# Altium PCB 3-as-manufactured.pcbdoc (part 8 of 12)
Units mil, origin at the board's own origin, x right, y up, seen from the top; angles counter-clockwise.
Board outline 2728 x 2217 mil, 8 copper layers (L1_TOP, L2_GND, L3_INNER1, L4_GND, L5_PWR, L6_INNER2, L7_GND, L8_BOT), stack 48.618 mil thick; 227 components, 321 nets, 1592 pads, 1187 vias.
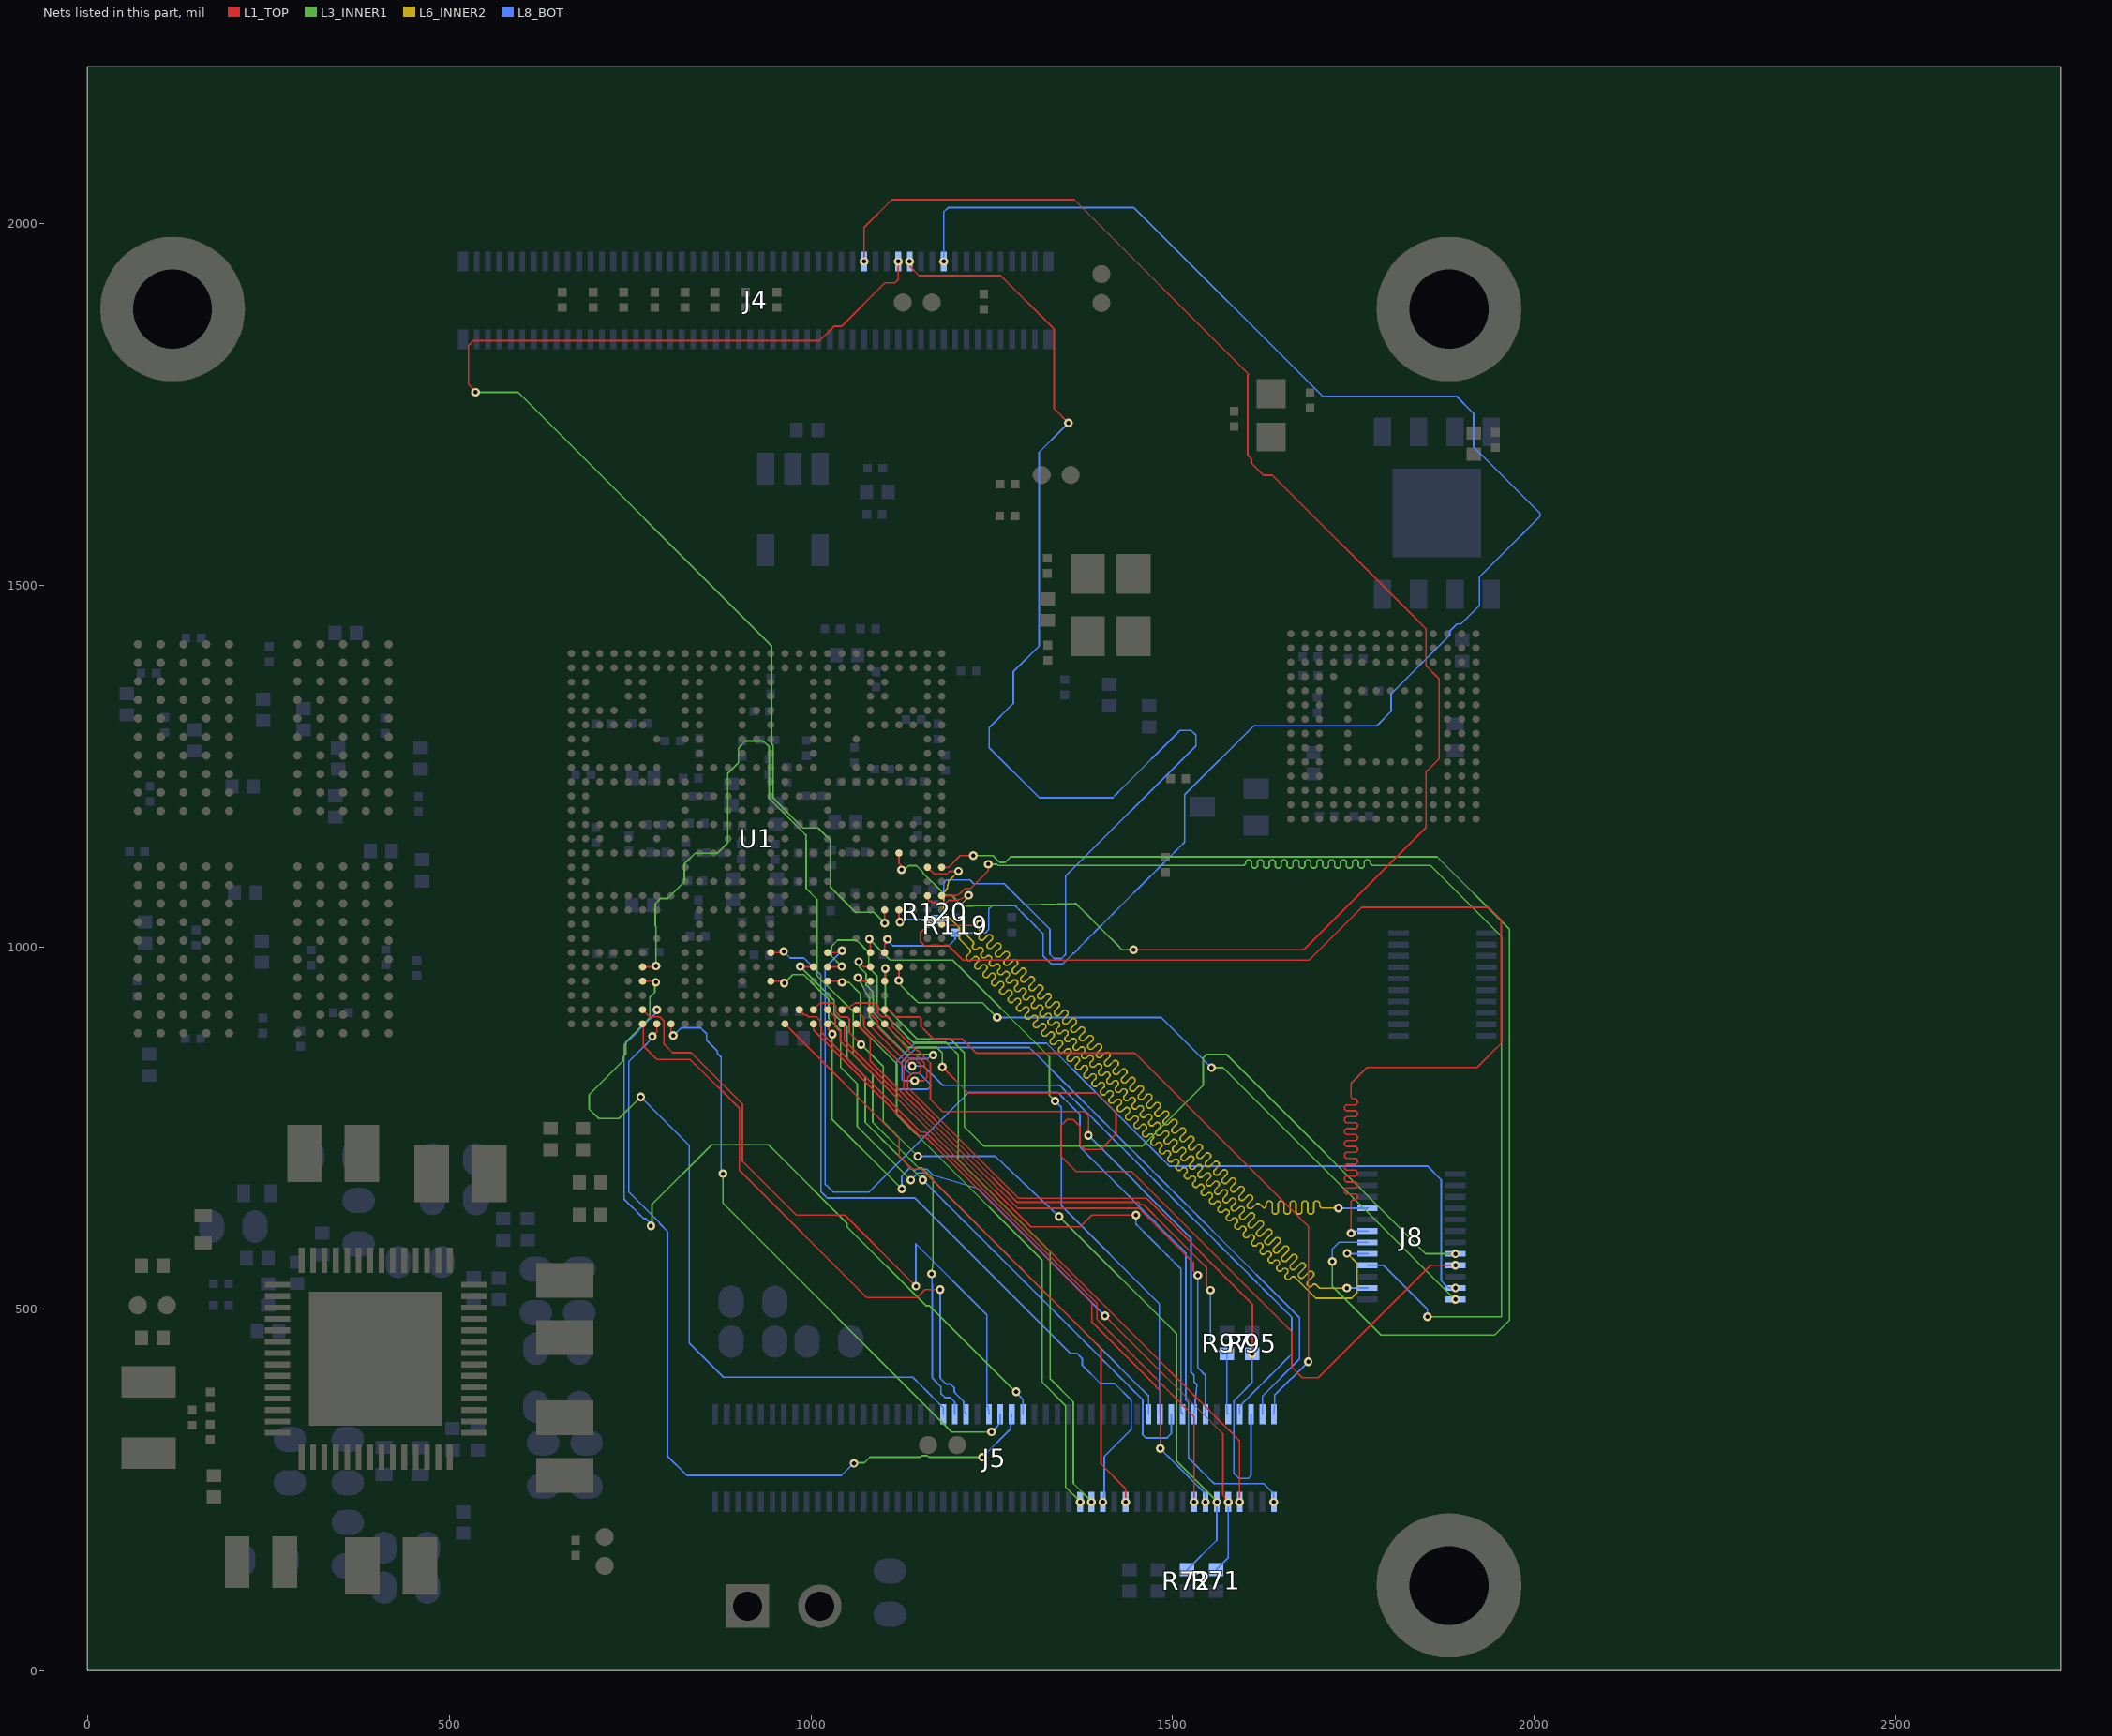
[diagram p14: the nets of this part, all layers, seen from the top]

## Via types
v1: diameter 12, hole 5.9, L1_TOP to L8_BOT, tented both sides, 1041 vias
v2: diameter 18, hole 8, L1_TOP to L8_BOT, tented both sides, 146 vias

## Nets (pads, with @x,y where several pads share a name; then routed paths per layer and width w, separated by ;. In a path a pad name is that pad's centre, name@x,y a point inside that pad or via, vN(x,y) a via of type N, cw(c..) or ccw(c..) an arc to the next point about the centre after c; other vN are vias at no path point) (continued)
SAI1_RXD3: J5.86 U1.AF17 | length 918.3
  L1_TOP w2.2: U1.AF17@983.95,913.68 987.5,910.14 991.24,906.4 993.8,906.4 996.37,903.83 1007.71,903.83 1013.47,898.07 1013.47,889.91 1014.34,889.05 1014.34,883.23 1014.34,882.32 1022.98,873.4 ccw(c1029.66,879.87) 1023.09,873.29 1152.06,744.6 1152.97,744.6 1158.46,744.6 1188.06,715 1395.23,507.83 1395.23,492.97 1395.23,485.7 1401.33,479.6 1407.43,473.49 1413.54,467.39 1419.64,461.29 1425.74,455.19 1431.84,449.08 1437.95,442.98 1444.05,436.88 1450.15,430.78 1456.26,424.67 1462.36,418.57 1468.46,412.47 1474.56,406.36 1480.67,400.26 1486.77,394.16 1492.87,388.06 1498.97,381.95 1505.08,375.85 1511.18,369.75 1517.28,363.65 1523.39,357.54 1529.49,351.44 1529.49,238.31 v1(1529.48,233.27)
SAI1_RXD4: J5.88 U1.AG18 | length 889.3
  L1_TOP w2.2: U1.AG18@1003.63,893.99 1003.63,885.67 1149.9,739.4 1157.2,739.4 1181.6,715 1388.25,508.35 1388.25,490.08 1388.25,482.34 1476.43,394.15 1476.43,392.97 1482.73,386.67 1482.73,378.07 1482.73,369.48 1482.73,360.88 1482.73,352.28 1482.73,343.68 1482.73,335.08 1482.73,326.49 1482.73,317.89 v1(1482.73,307.25)
  L8_BOT w2.2: v1(1482.73,307.25) 1489.4,300.59 1495.6,294.39 1501.8,288.18 1508,281.98 1514.21,275.78 1520.41,269.58 1526.61,263.38 1532.81,257.17 1539.01,250.97 1545.22,244.77 v1(1545.23,233.27)
SAI1_RXD5: J5.90 R72.1 U1.AF18 | length 1119.7
  L1_TOP w2.2: U1.AF18@1003.63,913.68 1007.18,917.22 1012.88,922.92 1021.45,922.92 1029.67,922.92 1034.46,918.13 1034.46,910.35 1037.94,906.87 1041.28,903.53 1045.87,903.53 1050.46,903.53 1053.16,900.83 1053.16,894.58 1053.16,888.32 1053.16,882.07 1058.59,876.65 1064.01,871.22 v1(1069.44,865.79)
  L3_INNER1 w2.2: v1(1069.44,865.79) 1100.04,835.19 1100.04,758.78 1143.82,715 v1(1147.68,711.14) ; v1(1343.08,628.08) 1350.26,620.89 1505.39,465.77 1505.39,289.84 1544.18,251.05 v1@1557.92,237.31 ; v1@1557.93,237.3 v1(1560.98,233.27)
  L8_BOT w2.2: v1(1147.68,711.14) 1156.62,711.14 1165.55,711.14 1174.49,711.14 1183.43,711.14 1192.36,711.14 1201.3,711.14 1210.23,711.14 1219.17,711.14 1228.1,711.14 1237.04,711.14 1245.97,711.14 1254.91,711.14 v1(1343.08,628.08) ; R72.1@1519.89,139.66 1560.96,180.75 1560.96,219.25 v1(1560.98,233.27)
SAI1_RXD6: J5.92 R71.1 U1.AG19 | length 1079.9
  L1_TOP w2.2: U1.AG19@1023.31,893.99 1025.35,884.19 v1(1029.66,879.87) ; v1(1406.33,490.68) 1413.31,483.71 1569.31,327.7 1569.31,243.12 v1(1576.72,233.27)
  L3_INNER1 w2.2: v1(1029.66,879.87) 1029.66,762.19 1113.68,678.17 ; 1113.68,678.16 v1(1125.68,666.15)
  L8_BOT w2.2: v1(1125.68,666.15) 1125.68,674.93 1125.68,683.71 1136.46,694.49 1143.29,692.47 1144.91,692.48 1145.46,693.03 1145.67,693.24 1160.48,693.24 1168.36,685.36 1168.76,684.96 1169.29,684.8 1230.17,666.84 v1(1406.33,490.68) ; R71.1@1559.89,139.66 1576.71,156.53 1576.71,219.25 v1(1576.72,233.27)
SAI1_RXD7: J5.94 U1.AF19 | length 916.2
  L1_TOP w2.2: U1.AF19@1023.31,913.68 1026.87,910.14 1030.3,906.71 1033.73,903.28 1033.73,896.56 1033.73,889.85 1037.05,886.53 1040.37,883.2 1040.37,876.54 1040.37,870.04 1195.42,715 1490.94,419.47 1490.94,419.31 1497.29,412.96 1503.64,406.61 1509.98,400.27 1516.33,393.92 1522.67,387.58 1529.02,381.23 1535.37,374.88 1541.71,368.54 1548.06,362.19 1554.4,355.84 1560.75,349.5 1567.1,343.15 1573.44,336.81 1579.79,330.46 1586.13,324.11 1592.48,317.77 1592.48,308.94 1592.48,300.11 1592.48,291.28 1592.48,282.45 1592.48,273.62 1592.48,264.79 1592.48,255.97 1592.48,247.14 1592.48,238.31 v1(1592.47,233.27)
SAI1_RXFS: J5.74 U1.AG16 | length 863.5
  L1_TOP w2.2: U1.AG16@964.26,893.99 969.7,888.54 969.7,888.09 1122,735.79 1122,715 1122,711.13 1139.7,693.43 1152.92,693.43 1167.97,678.39 1174.26,672.09 1180.56,665.8 1186.85,659.51 1193.14,653.21 1199.44,646.92 1237.2,609.16 1243.49,602.87 1249.78,596.57 1256.08,590.28 1262.37,583.99 1268.66,577.69 1306.42,539.93 1312.72,533.64 1319.01,527.35 1325.3,521.05 1331.6,514.76 1337.89,508.47 1375.65,470.71 1381.94,464.42 1388.24,458.12 1394.53,451.83 1400.82,445.54 1400.82,285.85 1434.99,251.68 v1(1434.99,233.27)
SAI1_TXC: J5.81 U1.AC18 | length 932.3
  L1_TOP w2.2: v1(985.28,973.38) 985.92,972.74 U1.AC18@1003.63,972.74
  L3_INNER1 w2.2: v1(985.28,973.38) 991.13,967.53 1008.64,950.02 1014.47,944.19 1020.31,938.35 1031.98,926.68 1031.98,907.67 1050.1,889.55 1050.1,845.38 1075.12,820.35 1075.12,758.01 1087.37,745.76 1093.5,739.64 1099.62,733.51 1105.74,727.39 1111.87,721.26 1117.99,715.14 1124.12,709.01 1130.24,702.89 1136.37,696.76 1142.49,690.64 1148.62,684.51 v1(1154.73,678.41)
  L8_BOT w2.2: v1(1154.73,678.41) 1158.92,674.21 1163.12,670.01 1169.41,663.73 1175.69,657.44 1188.26,644.87 1194.55,638.58 1200.84,632.29 1207.12,626.01 1219.7,613.44 1225.98,607.15 1232.27,600.86 1238.56,594.58 1251.13,582 1257.42,575.72 1263.7,569.43 1269.99,563.14 1282.56,550.57 1288.85,544.28 1295.13,538 1301.42,531.71 1320.28,512.85 1326.57,506.57 1332.85,500.28 1339.14,493.99 1351.71,481.42 1358,475.13 1364.29,468.85 1370.57,462.56 1383.15,449.99 1389.43,443.7 1395.72,437.41 1402,431.13 1414.58,418.55 1420.86,412.27 1427.15,405.98 1433.44,399.69 1446.01,387.12 1452.3,380.84 1458.58,374.55 1458.58,327.64 1458.58,326.21 1463.01,321.78 1492.05,321.78 1494.03,323.76 1497.97,327.7 1497.97,328.82 1497.97,337.39 J5.81@1497.98,354.53
SAI1_TXD0: J5.83 U1.AG20 | length 868.2
  L1_TOP w2.2: U1.AG20@1042.99,894 1046.18,890.8 1046.18,877.35 1046.18,871.58 1202.77,715 1304.04,613.73 1371.99,613.73 1388.16,629.9 v1(1449.11,629.9)
  L8_BOT w2.2: v1(1449.11,629.9) 1449.11,617.61 1455.32,611.38 1461.53,605.17 1467.74,598.96 1473.95,592.75 1480.15,586.55 1486.36,580.34 1492.57,574.13 1498.78,567.92 1504.99,561.71 1511.2,555.5 1511.2,546.88 1511.2,538.25 1511.2,529.62 1511.2,520.99 1511.2,512.36 1511.2,503.74 1511.2,495.11 1511.2,486.48 1511.2,460.6 ; 1511.2,469.22 1511.2,460.6 ; 1511.2,477.85 1511.2,460.6 ; J5.83@1513.73,354.53 1511.2,357.06 1511.2,365.69 1511.2,374.31 1511.2,382.94 1511.2,391.57 1511.2,400.2 1511.2,408.83 1511.2,417.45 1511.2,426.08 1511.2,434.71 1511.2,443.34 1511.2,451.97 1511.2,460.6
SAI1_TXD1: J5.85 U1.AF20 | length 922.2
  L1_TOP w2.2: U1.AF20@1042.99,913.68 1046.56,917.22 1052.8,917.23 1057.09,920.06 1061.39,922.89 1070.36,922.89 1079.33,922.89 1088.3,922.89 1092.49,918.69 1092.49,909.33 1098,903.82 1106.99,903.82 1112.46,898.35 1112.46,890.97 1118.11,885.33 1123.75,879.69 1129.39,874.05 1146.32,857.12 1148.04,857.12 1161.14,844.02 1165.1,840.07 1165.1,805.31 1165.1,796.62 1165.1,789.82 1181.92,773 1225,773 1377.58,773 1383.56,767.02 v1(1383.56,739.81)
  L8_BOT w2.2: v1(1383.56,739.81) 1525.15,598.22 1525.15,412.77 1529.65,408.27 ; J5.85@1529.48,354.53 1530.25,362.73 1531.03,370.94 1531.81,379.14 1532.59,387.35 1533.37,395.55 1529.65,399.28 1529.65,408.26
SAI1_TXD2: J5.87 U1.AG21 | length 837.5
  L1_TOP w2.2: U1.AG21@1062.69,893.99 1066.24,890.43 1082,874.67 1082,843.12 1210.12,715 1285.87,639.26 1293.02,639.26 1301.93,639.26 1310.84,639.26 1319.75,639.26 1328.66,639.26 1337.57,639.26 1346.48,639.26 1355.39,639.26 1364.3,639.26 1373.21,639.26 1382.12,639.26 1391.03,639.26 1399.94,639.26 1408.85,639.26 1417.76,639.26 1426.67,639.26 1435.58,639.26 1444.49,639.26 1453.4,639.26 1459.66,633 1465.91,626.74 1472.17,620.48 1478.43,614.22 1484.69,607.97 1490.95,601.71 1497.21,595.45 1503.46,589.19 1509.72,582.93 1515.98,576.67 1522.24,570.42 1528.5,564.16 1528.5,552.66 v1(1534.5,546.65)
  L8_BOT w2.2: v1(1534.5,546.65) 1534.5,537.35 1534.5,419.06 1545.22,408.35 J5.87@1545.23,354.53
SAI1_TXD3: J5.91 R97.1 U1.AF21 | length 876.8
  L1_TOP w2.2: U1.AF21@1062.69,913.68 1073.27,903.1 1073.27,890.76 1074.37,889.66 1074.37,889.12 1128.43,835.06 1128.43,804.22 1217.65,715 1284.85,647.8 1452.21,647.8 1455.82,644.19 1459.99,644.19 1472.29,631.89 1478.44,625.73 1539.95,564.23 1547.07,557.11 1547.07,531.17 v1(1552.25,525.98)
  L8_BOT w2.2: v1(1552.25,525.98) 1552.25,453.18 1567.3,438.13 1574.65,438.13 1574.65,380.78 1574.65,364.66 1574.65,356.6 J5.91@1576.72,354.53
SAI1_TXD4: J5.93 U1.AG22 | length 915.8
  L1_TOP w2.2: U1.AG22@1082.37,893.99 1083.86,892.5 1083.86,889.33 1131.24,841.95 1134.05,841.95 v1@1140,836
  L8_BOT w2.2: v1(1140,836) 1140.14,835.86 1153.12,835.86 1155.56,835.86 1182.32,809.09 1191.3,809.09 1200.28,809.09 1209.25,809.09 1218.23,809.09 1227.21,809.09 1236.18,809.09 1245.16,809.09 1254.14,809.09 1263.12,809.09 1272.09,809.09 1281.07,809.09 1290.05,809.09 1299.02,809.09 1308,809.09 1316.98,809.09 1325.95,809.09 1334.93,809.09 1343.91,809.09 1350.19,802.81 1356.48,796.52 1362.77,790.23 1369.06,783.94 1375.34,777.66 1381.63,771.37 1387.92,765.08 1394.2,758.8 1400.49,752.51 1406.78,746.22 1413.06,739.94 1419.35,733.65 1425.64,727.36 1431.92,721.08 1438.21,714.79 1444.5,708.5 1450.78,702.22 1457.07,695.93 1463.36,689.64 1469.65,683.36 1475.93,677.07 1482.22,670.78 1488.51,664.49 1494.79,658.21 1501.08,651.92 1507.37,645.63 1513.65,639.35 1519.94,633.06 1526.23,626.77 1532.51,620.49 1538.8,614.2 1545.09,607.91 1551.37,601.63 1557.66,595.34 1563.95,589.05 1570.23,582.77 1576.52,576.48 1582.81,570.19 1589.1,563.9 1595.38,557.62 1601.67,551.33 1607.96,545.04 1614.24,538.76 1620.53,532.47 1626.82,526.18 1633.1,519.9 1639.39,513.61 1645.68,507.32 1651.96,501.04 1658.25,494.75 1664.54,488.46 1664.54,480.01 1664.54,471.55 1664.54,463.1 1664.54,454.64 1664.54,446.19 1664.54,437.74 1658.53,431.73 1652.52,425.72 1646.52,419.72 1640.51,413.71 1634.51,407.7 1628.5,401.7 1622.49,395.69 1616.49,389.68 1610.48,383.68 1604.47,377.67 1598.47,371.66 1592.46,365.66 1592.46,360.09 J5.93@1592.47,354.53
SAI1_TXD5: J5.95 R95.1 U1.AF22 | length 1111
  L1_TOP w2.2: U1.AF22@1082.37,913.68 1083.41,912.64 1083.41,906.87 1092.21,898.07 1092.21,889.79 1136.2,845.8 1143.79,845.8 1151.78,837.81 1151.78,828.97 1148.26,825.45 1139.43,825.45 1133.63,819.64 1133.63,806.37 1225,715 1287,653 1464,653 1610,507 v1@1610,438.14
  L8_BOT w2.2: J5.95@1608.22,354.53 1608.21,269.6 1604.36,265.76 1591.77,265.76 1588.17,269.35 1584.58,272.95 1584.58,328.38 1584.58,337.32 1584.58,373.1 1590.84,379.45 1597.11,385.81 1603.38,392.16 1609.65,398.51 R95.1@1609.65,438.13
  other v1: 1609.66,438.14
SAI1_TXD6: J5.97 U1.AG23 | length 1028.2
  L1_TOP w2.2: U1.AG23@1102.05,893.99 1111.13,884.91 1111.25,884.78 1139.54,851.77 1144.08,851.77 1147.01,848.85 1148.09,848.85 1156.98,839.96 1156.98,834.33 1160.41,830.9 1160.41,819.98 1155.94,815.51 v1(1143.3,815.51)
  L8_BOT w2.2: v1(1143.3,815.51) 1127.74,815.51 1126.16,817.09 1126.16,824.75 1126.16,841.54 1146.03,861.41 1301.88,861.41 1308.21,855.08 1327.2,836.09 1339.85,823.43 1346.18,817.1 1377.83,785.45 1384.16,779.12 1390.49,772.79 1396.82,766.46 1403.15,760.13 1409.48,753.81 1415.81,747.48 1422.14,741.15 1428.47,734.82 1434.8,728.49 1441.13,722.16 1447.45,715.83 1453.78,709.5 1460.11,703.17 1466.44,696.84 1472.77,690.51 1479.1,684.18 1485.43,677.85 1491.76,671.52 1498.09,665.19 1504.42,658.86 1510.75,652.53 1517.08,646.2 1523.41,639.88 1529.74,633.55 1536.07,627.22 1542.4,620.89 1548.73,614.56 1555.06,608.23 1675.31,487.97 1675.31,430.87 1623.96,379.51 J5.97@1623.97,354.53
SAI1_TXD7: J5.99 U1.AF23 | length 994.6
  L1_TOP w2.2: U1.AF23@1102.05,913.68 1107.82,913.68 1112.9,908.61 1117.97,903.53 1126.04,903.53 1134.11,903.53 1150.24,903.53 1152.25,901.53 1152.25,890.55 1157.92,884.88 1163.6,879.2 1169.27,873.53 ; 1169.28,873.52 1204.98,873.52 1208.67,873.52 1225,857.19 1228.52,853.67 1447.67,853.67 1687.35,614 v1(1687.35,427.25)
  L8_BOT w2.2: J5.99@1639.72,354.53 1641.04,368.54 1641.04,380.94 v1(1687.35,427.25)
SAI1_TXFS: J5.100 U1.AB19 | length 1465.9
  L1_TOP w2.2: U1.AB19@1023.31,992.42 1040.32,992.42 v1(1043.02,995.12)
  L8_BOT w2.2: v1(1043.02,995.12) 1019.72,971.85 1019.72,967.85 1019.72,958.91 1019.72,949.96 1019.72,941.02 1019.72,932.08 1019.72,923.14 1019.72,914.2 1019.72,905.26 1019.72,896.32 1019.72,887.38 1019.72,878.44 1019.72,869.5 1019.72,860.56 1019.72,851.62 1019.72,842.68 1019.72,833.74 1019.72,824.8 1019.72,815.86 1019.72,806.92 1019.72,797.98 1019.72,789.04 1019.72,780.1 1019.72,771.16 1019.72,762.22 1019.72,753.28 1019.72,744.34 1019.72,735.4 1019.72,726.46 1019.72,717.51 1019.72,708.57 1019.72,699.63 1019.72,690.69 1019.72,681.75 1019.72,672.81 1025.36,667.17 1031,661.53 1080.31,661.53 1217.97,799.2 1226.79,799.2 1235.61,799.2 1244.44,799.2 1253.26,799.2 1262.08,799.2 1270.9,799.2 1279.72,799.2 1288.54,799.2 1297.36,799.2 1306.18,799.2 1315,799.2 1323.82,799.2 1332.64,799.2 1341.46,799.2 1347.54,793.11 1353.62,787.03 1359.71,780.95 1365.79,774.86 1371.87,768.78 1371.87,761.26 1371.87,753.74 1371.87,746.23 1371.87,738.71 1371.87,731.19 1371.87,723.67 1378.23,717.31 1384.59,710.95 1390.96,704.59 1397.32,698.23 1403.68,691.87 1410.04,685.51 1416.4,679.15 1422.76,672.79 1429.12,666.42 1435.48,660.06 1441.84,653.7 1448.2,647.34 1454.56,640.98 1460.92,634.62 1467.28,628.26 1473.65,621.9 1480.01,615.54 1486.37,609.18 1492.73,602.82 1499.09,596.46 1505.45,590.1 1511.81,583.73 1518.17,577.37 1518.17,568.55 1518.17,559.73 1518.17,550.91 1518.17,542.09 1518.17,533.26 1518.17,524.44 1518.17,515.62 1518.17,506.8 1518.17,497.98 1518.17,489.16 1518.17,480.33 1518.17,471.51 1518.17,462.69 1518.17,453.87 1518.17,445.05 1518.17,436.23 1518.17,427.4 1518.17,418.58 1518.17,409.76 1518.17,400.94 1518.17,392.12 1518.17,383.3 1518.17,374.47 1521.62,371.03 1521.62,362.51 1521.62,353.99 1521.62,345.47 1521.62,336.96 1521.62,328.44 1521.62,319.92 1521.62,311.4 1521.62,302.88 1521.62,294.36 1527.55,288.43 1533.48,282.5 1539.41,276.57 1545.34,270.64 1551.27,264.71 1557.2,258.78 1565.77,258.78 1574.33,258.78 1582.9,258.78 1591.47,258.78 1600.03,258.78 1608.6,258.78 1617.17,258.78 1625.74,258.78 1639.71,244.81 v1(1639.72,233.27)
SAI2_MCLK: J5.66 U1.AD19 | length 880.6
  L1_TOP w2.2: U1.AD19@1023.31,953.05 1039.04,953.05 1040.57,951.52 v1(1043.2,951.52)
  L3_INNER1 w2.2: v1(1043.2,951.52) 1047.99,951.52 1052.76,951.52 1058.03,946.24 1063.31,940.97 1068.58,935.7 1068.58,928.3 1068.58,888.94 1118.58,838.94 1118.58,768.68 1172.26,715 1319.45,567.81 1319.45,399.04 1351.58,366.91 1352.08,366.41 1352.08,253.86 1372,233.93 1372,233.6 v1(1372,233.27)
SAI2_RXC: J5.79 U1.AB22 | length 892.8
  L1_TOP w2.2: v1(1080.86,1011.21) 1082.37,1009.7 U1.AB22@1082.37,992.42
  L3_INNER1 w2.2: v1(1080.86,1011.21) 1086.56,1005.51 1092.36,999.7 1098.17,993.89 1103.98,988.08 1109.79,982.27 1118.4,982.27 1127,982.27 1135.61,982.27 1144.21,982.27 1152.82,982.27 1161.42,982.27 1170.03,982.27 1178.64,982.27 1187.24,982.27 1195.85,982.27 1329.58,848.54 1329.58,795.37 1331.18,793.76 v1(1337.44,787.51)
  L8_BOT w2.2: v1(1337.44,787.51) 1344.35,780.6 1346.03,778.92 1346.03,642.9 1481.71,507.22 1481.71,389.16 1482.22,388.64 1482.22,380.12 1482.22,371.59 1482.22,363.06 J5.79@1482.24,354.53
SAI2_RXD: J8.23 U1.AC24 | length 972.5
  L1_TOP w2.2: v1(1121.54,954.02) 1121.74,954.22 U1.AC24@1121.74,972.74
  L3_INNER1 w2.2: v1(1121.54,954.02) 1124.61,950.97 1124.61,946.92 1130.53,940.99 1136.46,935.07 1142.38,929.14 1148.31,923.22 1157.19,923.22 1166.07,923.22 1174.95,923.22 1183.83,923.22 1192.72,923.22 1201.6,923.22 1210.48,923.22 1219.36,923.22 1228.25,923.22 1237.13,923.22 1250.53,909.82 v1(1257.38,902.97) ; v1(1553.66,833.58) 1561.56,833.58 1569.45,833.58 1886.59,516.44 v1(1890.63,513.39)
  L8_BOT w2.2: v1(1257.38,902.97) 1484.27,902.97 v1(1553.66,833.58)
SAI2_RXFS: J5.68 U1.AC19 | length 1029.1
  L1_TOP w2.2: U1.AC19@1023.31,972.74 1042.01,972.74 v1(1042.69,973.42)
  L3_INNER1 w2.2: v1(1042.69,973.42) 1041.09,975.02 1028.4,987.71 1028.4,1001.19 1036.96,1009.75 1063.31,1009.75 1068.76,1004.3 1068.76,1004.24 1074.37,998.63 1079.98,993.01 1079.98,972.22 1091.2,961 1091.2,956.84 1091.2,918.79 1141.57,868.42 1186.65,868.42 1193.67,861.41 1203.79,851.29 1203.79,715 1203.79,706.46 1330.51,579.74 1330.51,403.63 1362.65,371.49 1362.65,259.03 1387.76,233.92 v1(1387.75,233.27)
SAI2_TXC: J8.21 U1.AD22 | length 1375.9
  L1_TOP w2.2: v1(1065.2,957.93) 1070.08,953.05 U1.AD22@1082.37,953.05
  L3_INNER1 w2.2: v1(1065.2,957.93) 1069.12,950.67 1073.02,943.4 1076.93,936.13 1078.91,932.44 ; 1079,932.27 1080.99,930.29 1080.99,903.24 1132.49,851.74 1168.26,851.74 v1(1169,851)
  L8_BOT w2.2: v1(1169,851) 1166.88,851 1161.68,845.8 1146.06,845.8 1136.64,845.8 1130.7,839.85 1130.7,831.63 1137.9,824.43 1138.93,824.43 1139.81,825.31 1146.07,825.31 1146.2,825.45 1150.31,825.45 1155.5,820.26 1160.69,815.07 1165.88,809.88 1165.88,808.09 1161.59,803.8 1120.78,803.8 1118.58,806 1118.58,811.47 1118.58,819.14 1118.58,826.81 1118.58,834.47 1118.58,842.14 1137.39,860.95 1143.66,867.22 1325.77,867.22 1394.85,798.14 1401.13,791.86 1419.97,773.02 1426.25,766.74 1432.53,760.46 1476.49,716.5 1482.77,710.22 1489.05,703.94 1495.33,697.66 1852.13,697.66 1871.2,678.59 1871.2,608.94 1871.2,539.07 1876.17,534.1 1881.14,529.13 v1(1890.63,529.13)
SAI2_TXD: J8.17 U1.AC22 | length 1456.8
  L1_TOP w2.2: v1(1066.04,979.95) 1073.25,972.74 U1.AC22@1082.37,972.74 ; v1(1181.72,834.44) 1217.55,798.61 1253.19,798.61 1394.38,798.61 1421.57,771.42 1421.57,741.71 1400.59,720.72 1378.58,720.72 1372.92,726.38 ; 1371.87,727.43 1371.87,752.38 1362.25,762 1354.14,762 1346.14,754 1346.03,754 1346.03,710.46 1366.49,690 1443,690 1664.54,468.46 1664.54,419.71 1679,405.25 1700.99,405.25 1856.37,560.63 v1(1890.63,560.63)
  L3_INNER1 w2.2: v1(1066.04,979.95) 1067.13,977.92 1067.13,972.54 1076.55,963.12 1076.55,947.67 1085.97,938.25 1085.97,932.48 1086.07,932.39 1086.07,909.98 1134.64,861.4 1174.27,861.4 1174.38,861.3 1174.48,861.3 1181.72,854.06 v1(1181.72,834.44)
SAI2_TXFS: J8.15 U1.AD23 | length 1187.1
  L1_TOP w2.2: U1.AD23@1102.05,953.05 1102.05,966.16 1102.89,967 v1(1102.89,970.5)
  L3_INNER1 w2.2: v1(1102.89,970.5) 1102.89,917.48 1146.85,873.52 1192.48,873.52 1212,854 1212,752 1239,725 1458,725 1542,809 1542,847 1547,852 1574,852 1849.62,576.38 v1(1890.63,576.38)
SAI3_MCLK: J5.41 U1.AD6 | length 1086.7
  L1_TOP w2.2: U1.AD6@767.41,953.05 782.06,953.05 783.59,951.52 v1(785.71,951.52)
  L3_INNER1 w2.2: 693.6,793.77 693.6,796.11 740.69,843.2 740.69,848.51 744.12,851.94 744.12,869.04 777.53,902.45 777.53,931.08 784.38,937.93 784.38,950.17 v1(785.71,951.52) ; 734.83,763.13 v1(764.88,793.18)
  L3_INNER1 w2.21: 693.6,793.77 693.6,776.4 706.87,763.13 734.83,763.13
  L8_BOT w2.2: v1(764.88,793.18) 771.82,786.23 831.92,726.13 831.92,453.08 879.1,405.9 901.49,405.9 981.23,405.91 981.38,405.76 1016.53,405.76 1016.68,405.91 1140.73,405.91 1152.81,393.83 1158.85,387.79 1164.89,381.75 1170.93,375.71 1183.01,363.63 J5.41@1183.02,354.53
SAI3_RXC: J5.53 U1.AG7 | length 1169.2
  L1_TOP w2.2: v1(781.04,876.87) 787.09,882.92 U1.AG7@787.09,893.99
  L3_INNER1 w2.2: v1(1059.6,286.8) 1060.36,287.56 1073.99,287.56 1081.7,295.26 1151.11,295.26 1153.15,297.3 1160.85,297.3 1162.89,295.26 v1(1236.97,295.26)
  L8_BOT w2.2: v1(781.04,876.87) 781.04,874.65 775.62,869.24 770.21,863.82 764.79,858.41 759.38,852.99 753.96,847.58 748.3,841.91 748.3,715 748.3,661.86 790.3,619.85 790.3,618.82 802.22,606.91 802.22,596.9 802.22,588.06 802.22,579.21 802.22,570.37 802.22,561.53 802.22,552.69 802.22,543.85 802.22,535.01 802.22,526.17 802.22,517.33 802.22,508.49 802.22,499.65 802.22,490.81 802.22,481.97 802.22,473.13 802.22,464.28 802.22,455.44 802.22,446.6 802.22,437.76 802.22,428.92 802.22,420.08 802.22,411.24 802.22,402.4 802.22,393.56 802.22,384.72 802.22,375.88 802.22,367.04 802.22,358.19 802.22,349.35 802.22,340.51 802.22,331.67 802.22,322.83 802.22,313.99 802.22,305.15 802.22,296.31 828.52,270 1042.14,270 1058.94,286.8 v1(1059.6,286.8) ; v1(1236.97,295.26) 1275.53,333.83 1276.19,340.73 1276.84,347.63 J5.53@1277.5,354.53
SAI3_RXD: J5.55 U1.AF7 | length 1081.5
  L3_INNER1 w2.2: v1(779,615) 780.4,616.4 780.4,644.63 862.86,727.08 941.42,727.08 953.5,715 1050.2,618.3 1050.2,613.44 1158.99,504.65 1163.52,504.65 1282.5,385.67 v1(1283.71,385.67)